# KiCad board DFTBoard.kicad_pcb (continued)
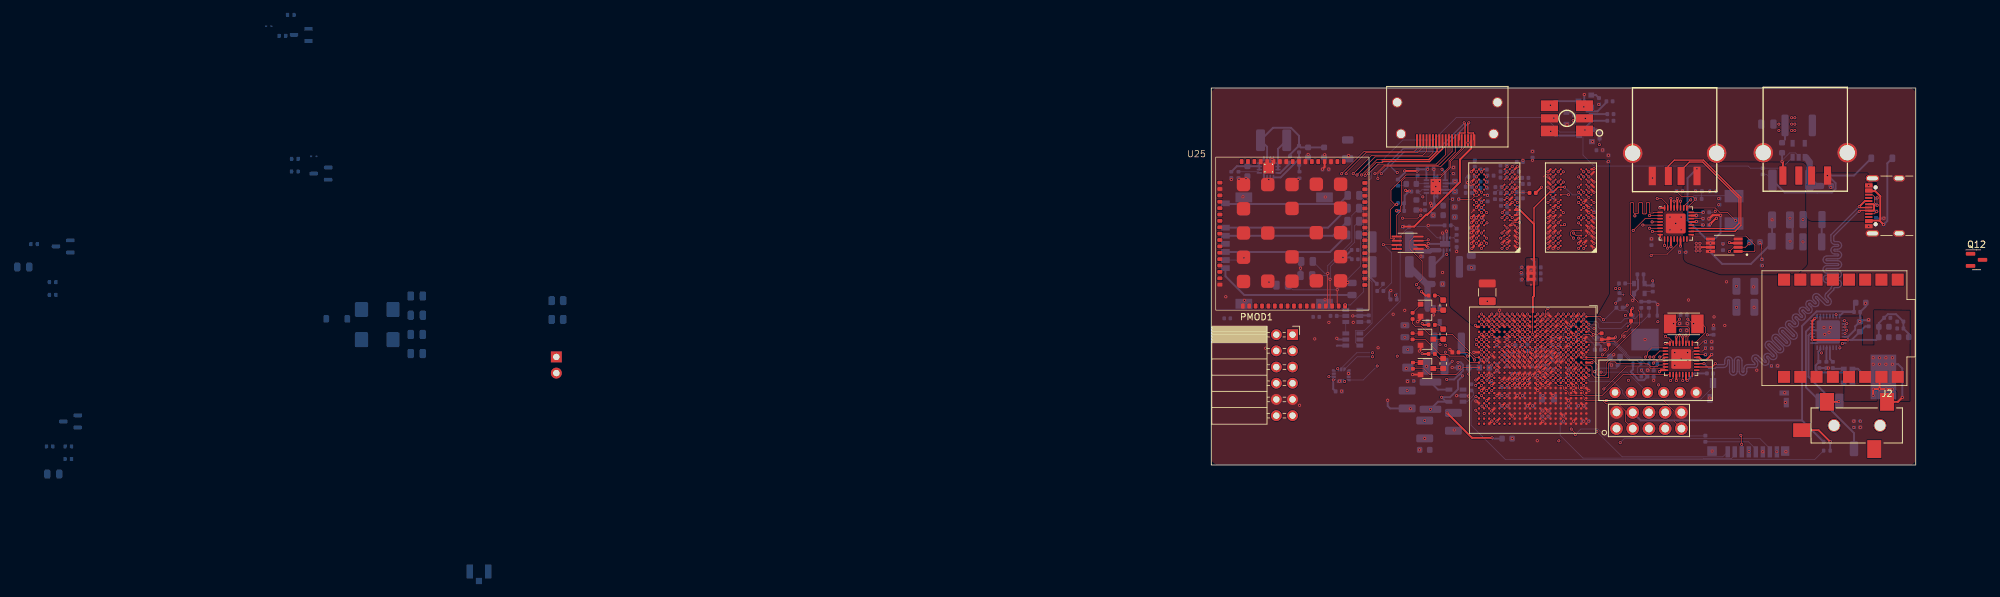
[diagram p0: board, top side]
## Routing (per net, layer and track width the routed paths; a pad name or vN(x,y) marks a point on that pad's centre or on a via; arc(x,y) is an arc through that point) (continued)
  BOTTOM w0.102: R11.2 60.78,50.27 v1(60.75,50.24)
PROGRAM_B: length 0.6
  TOP_GND w0.102: 46.71,15.27 v1(46.31,15.67)
SD_CD: length 24.9
  TOP_GND w0.3: 58.68,13.67 v1(58.27,14.08)
  BOTTOM w0.102: 78.55,12.23 76.65,10.33 65.32,10.33 64.38,11.27 64.38,11.68 62.99,13.07 59.28,13.07 v1(58.27,14.08)
  BOTTOM w0.3: R99.2 78.57,12.88
SD_CLK: length 8.4
  BOTTOM w0.102: R26.2 84.11,3.63 85.25,2.49
SD_CMD: length 38.8
  TOP_GND w0.102: 55.51,16.91 v1(55.87,17.27) ; v1(82.91,4.66) 83.04,4.53 v1(83.04,3.24)
  SIGNAL1 w0.102: v1(55.87,17.27) 55.52,16.92 55.52,12.31 57.15,10.68 62.43,10.68 63.5,9.61 77.96,9.61 v1(82.91,4.66)
  BOTTOM w0.102: v1(83.04,3.24) 83.05,3.23 J8.3
SD_D0: length 42.3
  TOP_GND w0.102: 58.77,18.47 v2(59.15,18.86)
  SIGNAL4 w0.102: v1(64.01,3.5) 64.01,3.5 62.28,5.24 62.28,10.25 62.17,10.36 62.17,15.72 59.15,18.73 v2(59.15,18.86)
  BOTTOM w0.102: v1(64.01,3.5) 64.64,4.12 85.91,4.12 87.45,2.59
SD_D1: length 53.1
  TOP_GND w0.102: v1(55.92,15.69) 55.9,15.69 U20.E10
  SIGNAL1 w0.102: v1(54.41,3.79) 54.51,3.89 78.2,3.89 78.43,4.12 86.49,4.12 v1(88.55,2.06)
  SIGNAL2 w0.102: v1(55.92,15.69) 55.55,16.06 53.67,16.06 52.88,15.27 51.78,15.27 51.51,15 51.51,6.69 54.42,3.78 v1(54.41,3.79)
SD_D2: length 37.1
  TOP_GND w0.102: 58.71,17.69 v2(59.05,18.03)
  SIGNAL4 w0.102: v2(59.05,18.03) 61.42,15.66 61.42,12.43 60.36,11.37 v1(60.36,5.25)
  BOTTOM w0.102: v1(60.36,5.25) 64.33,1.28 80.07,1.28 J8.1
SD_D3: length 40.8
  TOP_GND w0.102: v1(54.31,15.67) 54.32,15.67 54.71,15.27
  BOTTOM w0.102: v1(54.31,15.67) 54.73,15.25 54.73,8.12 54.62,8.01 54.62,4.65 58.19,1.08 77.04,1.08 77.09,1.03 81.45,1.03 81.95,1.54
STATLED_0: length 11.2
  TOP_GND w0.102: 31.51,15.09 33.29,15.09 34.21,14.17 38.31,14.17 39.41,15.27 41.91,15.27
STATLED_1: length 11.9
  TOP_GND w0.102: R79.2 33.47,19.69 35.86,17.31 36.8,17.31 36.86,17.37 37,17.37 37.3,17.07 39.5,17.07 40.5,16.07 U20.AB10
STATLED_2: length 13.3
  TOP_GND w0.102: U20.AB9 41.33,16.88 37.73,20.47 34.11,20.47 32.91,21.67 32.01,21.67 31.51,22.17 R85.2
TLV_RST#: length 78.1
  TOP_GND w0.102: 42.71,10.48 v1(42.31,10.88)
  SIGNAL1 w0.102: v1(42.31,10.88) 42.31,10.27 42.91,9.67 43.58,9.67 52.03,1.22 89.84,1.22 94.43,5.82 94.43,16.46 v1(95.54,17.57)
  SIGNAL2 w0.102: v1(95.54,17.57) 97.82,19.85 v1(97.82,23.57)
UART33_RX: length 18.4
  TOP_GND w0.102: U20.G7 v1(54.31,18.07)
  SIGNAL1 w0.102: v1(56.71,17.27) 56.31,17.67 54.71,17.67 v1(54.31,18.07)
  SIGNAL4 w0.102: v1(61.03,14.57) 60.5,15.1 60.5,16.3 59.12,17.67 57.11,17.67 v1(56.71,17.27)
  BOTTOM w0.102: U17.4 65.1,14.57 v1(61.03,14.57)
UART33_TX: length 14.7
  TOP_GND w0.102: U20.B4 v1(58.31,21.27)
  SIGNAL4 w0.102: v1(59.92,21.39) 62,19.31 62,17.71 63.21,16.51 63.21,13.91 U17.5
  BOTTOM w0.102: 59.71,21.38 59.42,21.67 58.7,21.67 v1(58.31,21.27)
USB0_CLK: length 43
  TOP_GND w0.102: U10.1 69.27,39.62 69.17,39.52 68.67,39.52 68.61,39.57 68.61,41.07 68.51,41.17 68.21,41.17 68.11,41.07 68.11,39.47 68.01,39.37 67.61,39.37 67.51,39.47 67.51,41.07 67.41,41.17 67.01,41.17 66.91,41.07 66.91,39.57 66.81,39.47 66.21,39.47 66.11,39.57 66.11,41.07 66.01,41.17 65.71,41.17 65.58,41.04 65.58,26.8 66.81,25.57 66.81,24.27 66.99,24.08 66.99,21.96 61.91,16.88 U20.A9
USB0_D0: length 34.2
  TOP_GND w0.102: U10.3 67.91,38.62 v1(66.06,36.77) ; U20.C7 57.51,18.88 v1(57.51,18.88)
  SIGNAL2 w0.102: v1(66.06,36.77) 66.06,34.52 66.05,34.46 66.03,34.39 65.99,34.34 65.95,34.29 65.89,34.25 65.83,34.23 65.76,34.22 65.56,34.22 65.49,34.22 65.43,34.2 65.37,34.16 65.33,34.11 65.29,34.06 65.27,33.99 65.26,33.92 65.27,33.86 65.29,33.79 65.33,33.74 65.37,33.69 65.43,33.65 65.49,33.63 65.56,33.62 66.16,33.62 66.18,33.62 66.2,33.62 66.22,33.6 66.24,33.59 66.25,33.57 66.26,33.55 66.26,33.52 66.26,33.12 66.26,33.1 66.25,33.08 66.24,33.06 66.22,33.05 66.2,33.03 66.18,33.03 66.16,33.02 65.56,33.02 65.49,33.02 65.43,33 65.37,32.96 65.33,32.91 65.29,32.86 65.27,32.79 65.26,32.72 65.27,32.66 65.29,32.59 65.33,32.54 65.37,32.49 65.43,32.45 65.49,32.43 65.56,32.42 66.16,32.42 66.18,32.42 66.2,32.42 66.22,32.4 66.24,32.39 66.25,32.37 66.26,32.35 66.26,32.32 66.26,31.92 66.26,31.9 66.25,31.88 66.24,31.86 66.22,31.85 66.2,31.83 66.18,31.83 66.16,31.82 65.56,31.82 65.49,31.82 65.43,31.8 65.37,31.76 65.33,31.71 65.29,31.66 65.27,31.59 65.26,31.52 65.27,31.46 65.29,31.39 65.33,31.34 65.37,31.29 65.43,31.25 65.49,31.23 65.56,31.22 66.16,31.22 66.18,31.22 66.2,31.22 66.22,31.2 66.24,31.19 66.25,31.17 66.26,31.15 66.26,31.12 66.26,30.72 66.26,30.7 66.25,30.68 66.24,30.66 66.22,30.65 66.2,30.63 66.18,30.63 66.16,30.62 65.56,30.62 65.49,30.62 65.43,30.6 65.37,30.56 65.33,30.51 65.29,30.46 65.27,30.39 65.26,30.32 65.27,30.26 65.29,30.19 65.33,30.14 65.37,30.09 65.43,30.05 65.49,30.03 65.56,30.02 66.16,30.02 66.18,30.02 66.2,30.02 66.22,30 66.24,29.99 66.25,29.97 66.26,29.95 66.26,29.92 66.26,29.52 66.26,29.5 66.25,29.48 66.24,29.46 66.22,29.45 66.2,29.43 66.18,29.43 66.14,29.42 66.12,29.42 66.1,29.4 66.08,29.39 66.07,29.37 66.06,29.35 66.06,29.32 66.06,28.48 65.41,27.83 65.41,26.17 62.41,23.17 62.41,22.67 61.8,22.06 61.8,21.88 59.19,19.27 57.91,19.27 v1(57.51,18.88)
USB0_D1: length 41.3
  TOP_GND w0.102: v1(69.01,38.12) U10.4 ; 53.91,13.67 v1(53.51,13.27)
  SIGNAL1 w0.102: v1(69.91,22.47) 69.51,22.88 69.5,22.88 69.5,37.63 v1(69.01,38.12)
  SIGNAL2 w0.102: v1(69.91,22.47) 68.8,21.37 68.8,18.79 67.11,17.1 67.11,16.99 61.4,11.27 55.51,11.27 v1(53.51,13.27)
USB0_D2: length 32.9
  TOP_GND w0.102: v1(58.31,14.88) U20.B12 ; U10.5 v1(67.56,37.62)
  SIGNAL2 w0.102: v1(67.56,37.62) 67.56,32.42 67.56,32.4 67.55,32.38 67.54,32.36 67.52,32.35 67.5,32.33 67.48,32.33 67.44,32.32 67.42,32.32 67.4,32.3 67.38,32.29 67.37,32.27 67.36,32.25 67.36,32.22 67.36,31.82 67.36,31.8 67.37,31.78 67.38,31.76 67.4,31.75 67.42,31.73 67.44,31.73 67.46,31.72 67.63,31.72 67.65,31.72 67.67,31.72 67.68,31.71 67.69,31.7 67.7,31.68 67.71,31.67 67.71,31.65 67.71,31.2 67.71,31.18 67.7,31.17 67.69,31.15 67.68,31.14 67.67,31.13 67.65,31.13 67.63,31.12 67.46,31.12 67.44,31.12 67.42,31.12 67.4,31.1 67.38,31.09 67.37,31.07 67.36,31.05 67.36,31.02 67.36,30.62 67.36,30.6 67.37,30.58 67.38,30.56 67.4,30.55 67.42,30.53 67.44,30.53 67.46,30.52 67.63,30.52 67.65,30.52 67.67,30.52 67.68,30.51 67.69,30.5 67.7,30.48 67.71,30.47 67.71,30.45 67.71,30 67.71,29.98 67.7,29.97 67.69,29.95 67.68,29.94 67.67,29.93 67.65,29.93 67.63,29.92 67.46,29.92 67.44,29.92 67.42,29.92 67.4,29.9 67.38,29.89 67.37,29.87 67.36,29.85 67.36,29.82 67.36,29.42 67.36,29.4 67.37,29.38 67.38,29.36 67.4,29.35 67.42,29.33 67.44,29.33 67.46,29.32 67.63,29.32 67.65,29.32 67.67,29.32 67.68,29.31 67.69,29.3 67.7,29.28 67.71,29.27 67.71,29.25 67.71,28.8 67.71,28.78 67.7,28.77 67.69,28.75 67.68,28.74 67.67,28.73 67.65,28.73 67.63,28.72 67.46,28.72 67.44,28.72 67.42,28.72 67.4,28.7 67.38,28.69 67.37,28.67 67.36,28.65 67.36,28.62 67.36,28.22 67.36,28.2 67.37,28.18 67.38,28.16 67.4,28.15 67.42,28.13 67.44,28.13 67.46,28.12 67.63,28.12 67.65,28.12 67.67,28.12 67.68,28.11 67.69,28.1 67.7,28.08 67.71,28.07 67.71,28.05 67.71,27.6 67.71,27.58 67.7,27.57 67.69,27.55 67.68,27.54 67.67,27.53 67.65,27.53 67.63,27.52 67.46,27.52 67.44,27.52 67.42,27.52 67.4,27.5 67.38,27.49 67.37,27.47 67.36,27.45 67.36,27.42 67.36,27.02 67.36,27 67.37,26.98 67.38,26.96 67.4,26.95 67.42,26.93 67.44,26.93 67.46,26.92 67.63,26.92 67.65,26.92 67.67,26.92 67.68,26.91 67.69,26.9 67.7,26.88 67.71,26.87 67.71,26.85 67.71,26.4 67.71,26.38 67.7,26.37 67.69,26.35 67.68,26.34 67.67,26.33 67.65,26.33 67.63,26.32 67.46,26.32 67.44,26.32 67.42,26.32 67.4,26.3 67.38,26.29 67.37,26.27 67.36,26.25 67.36,26.22 67.36,25.82 67.36,25.8 67.37,25.78 67.38,25.76 67.4,25.75 67.42,25.73 67.44,25.73 67.48,25.72 67.5,25.72 67.52,25.7 67.54,25.69 67.55,25.67 67.56,25.65 67.56,25.62 67.56,24.82 63.2,20.47 63.12,20.47 62.92,20.26 62.92,20.18 58.31,15.57 v1(58.31,14.88)
USB0_D3: length 36.7
  TOP_GND w0.102: U20.F14 55.11,13.27 v1(55.12,13.27) ; U10.6 v1(68.61,37.12)
  SIGNAL2 w0.102: v1(68.61,37.12) 69.14,37.12 69.45,36.81 69.45,29.42 69.71,29.16 69.71,27.79 69.45,27.53 69.45,23.47 67.28,21.3 67.28,19.45 61.31,13.47 61.02,13.47 60.43,12.88 55.52,12.88 v1(55.12,13.27)
USB0_D4: length 32.4
  TOP_GND w0.102: v1(69.06,36.62) U10.7 ; U20.A12 v1(59.11,14.07)
  SIGNAL2 w0.102: v1(69.06,36.62) 68.31,35.87 68.31,33.07 68.31,33.06 68.31,33.05 68.3,33.04 68.29,33.04 68.28,33.03 68.27,33.03 68.25,33.02 68.24,33.02 68.23,33.01 68.22,33.01 68.21,33 68.21,32.99 68.21,32.97 68.21,32.47 68.21,32.46 68.21,32.45 68.22,32.44 68.23,32.44 68.24,32.43 68.25,32.43 68.26,32.42 68.46,32.42 68.49,32.42 68.53,32.41 68.55,32.39 68.58,32.37 68.6,32.34 68.61,32.31 68.61,32.27 68.61,31.97 68.61,31.94 68.6,31.91 68.58,31.88 68.55,31.86 68.53,31.84 68.49,31.83 68.46,31.82 68.26,31.82 68.25,31.82 68.24,31.82 68.23,31.81 68.22,31.81 68.21,31.8 68.21,31.79 68.21,31.77 68.21,31.27 68.21,31.26 68.21,31.25 68.22,31.24 68.23,31.24 68.24,31.23 68.25,31.23 68.26,31.22 68.46,31.22 68.49,31.22 68.53,31.21 68.55,31.19 68.58,31.17 68.6,31.14 68.61,31.11 68.61,31.07 68.61,30.77 68.61,30.74 68.6,30.71 68.58,30.68 68.55,30.66 68.53,30.64 68.49,30.63 68.46,30.62 68.26,30.62 68.25,30.62 68.24,30.62 68.23,30.61 68.22,30.61 68.21,30.6 68.21,30.59 68.21,30.57 68.21,30.07 68.21,30.06 68.21,30.05 68.22,30.04 68.23,30.04 68.24,30.03 68.25,30.03 68.26,30.02 68.46,30.02 68.49,30.02 68.53,30.01 68.55,29.99 68.58,29.97 68.6,29.94 68.61,29.91 68.61,29.88 68.61,29.57 68.61,29.54 68.6,29.51 68.58,29.48 68.55,29.46 68.53,29.44 68.49,29.43 68.43,29.42 68.39,29.41 68.37,29.39 68.34,29.37 68.32,29.34 68.31,29.31 68.31,29.27 68.31,23.27 66.35,21.31 66.3,21.28 66.25,21.25 66.2,21.24 66.14,21.24 66.09,21.25 66.04,21.28 65.95,21.35 65.9,21.37 65.85,21.38 65.79,21.38 65.73,21.37 65.68,21.35 65.64,21.31 65.57,21.24 65.53,21.2 65.51,21.15 65.5,21.09 65.5,21.04 65.51,20.98 65.53,20.93 65.57,20.89 65.99,20.46 66.04,20.41 66.06,20.35 66.08,20.29 66.08,20.22 66.06,20.15 66.04,20.09 65.99,20.04 65.94,20 65.88,19.97 65.82,19.95 65.75,19.95 65.68,19.97 65.62,20 65.57,20.04 65.53,20.07 65.48,20.12 65.42,20.15 65.36,20.16 65.29,20.16 65.22,20.15 65.16,20.12 65.11,20.07 60.46,15.42 60.46,14.84 60.43,14.82 60.43,14.5 60.01,14.07 v1(59.11,14.07)
USB0_D5: length 30.1
  TOP_GND w0.102: U20.B14 v1(58.31,12.47) ; U10.9 v1(70.96,34.42)
  SIGNAL2 w0.102: v1(70.96,34.42) 70.96,24.54 67.52,21.09 67.52,19.34 60.65,12.47 v1(58.31,12.47)
USB0_D6: length 35.6
  TOP_GND w0.102: 54.71,13.67 v1(54.31,13.27) ; v1(71.42,34.01) 71.42,35.4
  SIGNAL2 w0.102: v1(54.31,13.27) 55.5,12.08 60.82,12.08 61.21,12.47 61.81,12.47 68.3,18.97 68.3,21.52 71.42,24.63 v1(71.42,34.01)
USB0_D7: length 32.3
  TOP_GND w0.102: v1(68.86,32.82) 69.1,33.06 71.38,33.06 72.96,34.64 U10.13 ; 57.11,13.67 v1(57.51,13.27)
  SIGNAL2 w0.102: v1(57.51,13.27) 57.9,13.67 60.1,13.67 60.66,14.23 60.66,14.38 60.64,14.41 60.64,14.73 60.87,14.96 61.26,14.96 66.76,20.46 66.76,21.22 68.21,22.67 68.21,22.89 68.86,23.54 68.86,27.52 68.51,27.87 68.51,29.08 68.86,29.42 v1(68.86,32.82)
USB0_dir: length 34.3
  TOP_GND w0.102: v1(69.81,41.77) 70.53,41.77 71.46,40.85 U10.31 ; 55.51,17.67 v1(55.91,18.07)
  SIGNAL2 w0.102: v1(69.81,41.77) 66.51,38.47 66.51,25.69 59.28,18.47 56.45,18.47 56.06,18.07 v1(55.91,18.07)
USB0_nxt: length 33.5
  TOP_GND w0.102: U20.F9 v1(55.11,17.27) ; U10.2 v1(68.61,39.12)
  SIGNAL1 w0.102: v1(68.61,39.12) 66.36,39.12 v1(66.31,39.07)
  SIGNAL2 w0.102: v1(55.11,17.27) 55.52,17.68 55.52,19.98 55.61,20.07 58.83,20.07 59.72,20.97 60.3,20.97 60.72,21.38 60.72,21.97 61.14,22.38 61.6,22.38 62.16,22.94 62.16,23.32 65.01,26.17 65.01,37.77 v1(66.31,39.07)
USB0_RST: length 38.2
  TOP_GND w0.102: U20.D10 v1(55.91,16.47) ; U10.27 v1(73.46,41.37)
  SIGNAL2 w0.102: v1(73.46,41.37) 73.46,41.86 73.12,42.2 70.99,42.2 67.11,38.32 67.11,25.09 62.64,20.62 62.51,20.62 58.76,16.88 56.31,16.88 v1(55.91,16.47)
USB0_stp: length 34.8
  TOP_GND w0.102: v1(72.46,41.37) U10.29 ; 58.71,15.27 v1(59.11,14.88)
  SIGNAL2 w0.102: v1(72.46,41.37) 70.83,39.74 69.88,39.74 67.96,37.82 67.96,23.44 66.35,21.82 65.81,21.82 65.03,21.05 64.89,21.05 64.21,20.37 64.21,19.64 59.45,14.88 v1(59.11,14.88)
USB1_CLK: length 16.4
  TOP_GND w0.102: U12.1 68.96,18.38 68.31,17.72 68.31,17.27 v1(67.96,16.92) ; 56.31,15.27 56.71,15.67 v1(56.71,15.67)
  SIGNAL1 w0.102: v1(67.96,16.92) 67.71,16.68 67.26,16.68 67.06,16.47 57.44,16.47 56.71,15.75 v1(56.71,15.67)
USB1_D0: length 22.1
  TOP_GND w0.102: 55.51,13.67 v1(55.91,13.27) ; U12.3 v1(70.21,16.92)
  SIGNAL1 w0.102: v1(70.21,16.92) 70.34,17.38 70.65,17.69 70.65,18.21 69.99,18.88 68.46,18.88 66.46,16.88 56.53,16.88 56.32,16.66 56.32,13.68 v1(55.91,13.27)
USB1_D1: length 17.5
  TOP_GND w0.102: U12.4 70.93,16.68 70.68,16.68 70.53,16.52 62.36,16.52 61.81,15.97 61.81,14.27 61.61,14.07 60.51,14.07 60.41,14.17 60.41,15.81 59.69,16.52 58.26,16.52 U20.B9
USB1_D2: length 17
  TOP_GND w0.102: v1(69.21,15.98) 69.41,16.18 70.93,16.18 U12.5 ; v1(56.71,14.07) 56.71,14.07 U20.D12
  SIGNAL1 w0.102: v1(56.71,14.07) 57.11,14.47 59.4,14.47 59.8,14.07 68.51,14.07 69.21,14.78 v1(69.21,15.98)
USB1_D3: length 17.7
  TOP_GND w0.102: U20.B10 58.33,15.66 59.33,15.66 59.61,15.38 59.61,14.17 60.11,13.67 62.11,13.67 62.21,13.77 62.21,15.88 62.51,16.17 63.21,16.17 63.51,15.88 68.36,15.88 68.81,15.42 69.81,15.42 70.06,15.68 70.93,15.68 U12.6
USB1_D4: length 18.1
  TOP_GND w0.102: U12.7 70.93,15.18 68.77,15.18 68.57,15.38 64.92,15.38 v1(61.46,11.92) ; U20.E14 v1(55.91,12.47)
  SIGNAL1 w0.102: v1(55.91,12.47) 56.31,12.07 57.11,12.07 57.91,11.27 60.82,11.27 v1(61.46,11.92)
USB1_D5: length 17.4
  TOP_GND w0.102: U20.C14 57.51,12.47 57.51,11.95 57.75,11.72 58.07,11.72 58.31,11.47 58.31,11.15 58.54,10.92 61.21,10.92 64.48,14.19 U12.9
USB1_D6: length 17.3
  TOP_GND w0.102: U12.10 72.31,13.65 v1(71.91,13.25) ; 56.31,13.67 56.71,13.27 v1(56.71,13.27)
  SIGNAL1 w0.102: v1(71.91,13.25) 70.15,13.25 69.64,12.73 69.07,12.73 68.93,12.88 57.11,12.88 v1(56.71,13.27)
USB1_D7: length 19.9
  TOP_GND w0.102: U12.13 v1(73.81,13.25) ; U20.C10 v1(57.51,15.67)
  SIGNAL1 w0.102: v1(73.81,13.25) 73.64,13.25 70.51,16.38 69,16.38 67.91,15.28 66.82,15.28 66.61,15.07 59.91,15.07 59.55,15.44 57.75,15.44 v1(57.51,15.67)
USB1_dir: length 17
  TOP_GND w0.102: U12.31 72.11,19.26 72.11,19.5 71.68,19.94 71.35,19.94 v1(71.11,20.17) ; 57.11,17.67 v1(57.51,18.07)
  SIGNAL1 w0.102: v1(57.51,18.07) 57.9,17.68 66.92,17.68 68.71,19.47 v1(71.11,20.17)
USB1_nxt: length 16.9
  TOP_GND w0.102: v1(69.26,16.92) 70.21,17.88 U12.2 ; 57.91,15.27 v1(57.51,14.88)
  SIGNAL1 w0.102: v1(57.51,14.88) 57.12,15.27 57.12,15.86 57.32,16.07 58.93,16.07 59.34,15.66 59.89,15.66 60.41,16.17 68.51,16.17 v1(69.26,16.92)
USB1_RST: length 28.8
  TOP_GND w0.102: v1(74.31,20.38) U12.27 ; U20.C12 v1(57.51,14.07)
  SIGNAL1 w0.102: v1(57.51,14.07) 57.9,13.68 72.03,13.68 72.42,13.29 72.42,12.94 72.68,12.67 74.96,12.67 75.26,12.97 75.26,20.17 75.06,20.38 v1(74.31,20.38)
USB1_stp: length 20
  TOP_GND w0.102: U12.29 v1(73.31,20.38) ; 56.31,17.67 56.71,18.07 v1(56.71,18.07)
  SIGNAL1 w0.102: v1(56.71,18.07) 57.12,18.48 57.12,19.08 57.31,19.27 64.81,19.27 66.11,20.57 73.21,20.57 73.31,20.47 v1(73.31,20.38)
USBD_D_N: length 98.8
  TOP_GND w0.2: 102.91,39.91 101.57,39.91 v1(101.43,39.77) ; v1(77.14,15.9) 76.02,15.9
  TOP_GND w0.3: USB_C_ESP1.B7 103.66,39.89 103.76,39.99 103.76,40.79 103.66,40.89 USB_C_ESP1.A7
  BOTTOM w0.2: v1(101.43,39.77) 101.34,39.77 97.46,35.89 97.46,35.19 arc(97.5,35.09) 97.61,35.04 98.08,35.04 arc(98.5,34.87) 98.68,34.44 arc(98.5,34.02) 98.08,33.84 97.61,33.84 arc(97.5,33.8) 97.46,33.69 arc(97.5,33.58) 97.61,33.54 98.08,33.54 arc(98.5,33.36) 98.68,32.94 arc(98.5,32.51) 98.08,32.34 96.38,32.34 arc(96.27,32.29) 96.23,32.19 arc(96.27,32.08) 96.38,32.03 98.08,32.03 arc(98.5,31.86) 98.68,31.43 arc(98.5,31.01) 98.08,30.83 96.38,30.83 arc(96.27,30.79) 96.23,30.68 arc(96.27,30.57) 96.38,30.53 98.08,30.53 arc(98.5,30.35) 98.68,29.93 arc(98.5,29.5) 98.08,29.33 96.38,29.33 arc(96.27,29.28) 96.23,29.18 arc(96.27,29.07) 96.38,29.03 98.08,29.03 arc(98.5,28.85) 98.68,28.43 arc(98.5,28) 98.08,27.82 97.61,27.82 arc(97.5,27.78) 97.46,27.67 97.46,27.49 96.56,26.59 arc(96.52,26.49) 96.56,26.38 96.9,26.05 arc(97.07,25.62) 96.9,25.2 arc(96.47,25.02) 96.05,25.2 94.85,26.4 arc(94.74,26.44) 94.63,26.4 arc(94.59,26.29) 94.63,26.18 94.97,25.85 arc(95.14,25.42) 94.97,25 arc(94.54,24.82) 94.12,25 93.78,25.33 arc(93.68,25.38) 93.57,25.33 arc(93.52,25.23) 93.57,25.12 93.9,24.79 arc(94.08,24.36) 93.9,23.94 arc(93.48,23.76) 93.05,23.94 92.72,24.27 arc(92.61,24.31) 92.51,24.27 arc(92.46,24.16) 92.51,24.06 92.84,23.72 arc(93.02,23.3) 92.84,22.87 arc(92.42,22.7) 91.99,22.87 91.66,23.21 arc(91.55,23.25) 91.44,23.21 arc(91.4,23.1) 91.44,22.99 91.78,22.66 arc(91.95,22.23) 91.78,21.81 arc(91.35,21.63) 90.93,21.81 90.59,22.14 arc(90.49,22.19) 90.38,22.14 arc(90.33,22.04) 90.38,21.93 91.58,20.73 arc(91.76,20.3) 91.58,19.88 arc(91.15,19.7) 90.73,19.88 89.53,21.08 arc(89.42,21.12) 89.32,21.08 arc(89.27,20.97) 89.32,20.87 90.52,19.67 arc(90.69,19.24) 90.52,18.82 arc(90.09,18.64) 89.67,18.82 88.47,20.02 arc(88.36,20.06) 88.25,20.02 arc(88.21,19.91) 88.25,19.8 89.45,18.6 arc(89.63,18.18) 89.45,17.75 arc(89.03,17.58) 88.6,17.75 87.4,18.95 arc(87.3,19) 87.19,18.95 arc(87.14,18.85) 87.19,18.74 88.39,17.54 arc(88.56,17.11) 88.39,16.69 arc(87.96,16.51) 87.54,16.69 87.2,17.02 arc(87.1,17.07) 86.99,17.02 arc(86.95,16.92) 86.99,16.81 87.15,16.65 arc(87.32,16.23) 87.15,15.8 87.15,15.8 arc(86.72,15.62) 86.3,15.8 85.31,16.79 arc(85.2,16.83) 85.1,16.79 arc(85.05,16.68) 85.1,16.58 85.4,16.28 arc(85.57,15.85) 85.4,15.43 85.26,15.29 83.99,15.29 arc(83.88,15.25) 83.84,15.14 83.84,14.67 arc(83.66,14.25) 83.24,14.07 arc(82.81,14.25) 82.64,14.67 82.64,16.37 arc(82.59,16.48) 82.49,16.52 arc(82.38,16.48) 82.34,16.37 82.34,14.67 arc(82.16,14.25) 81.73,14.07 arc(81.31,14.25) 81.13,14.67 81.13,16.37 arc(81.09,16.48) 80.98,16.52 arc(80.88,16.48) 80.83,16.37 80.83,15.9 arc(80.65,15.47) 80.23,15.29 79.05,15.29 78.91,15.16 77.88,15.16 v1(77.14,15.9)
USBD_D_P: length 98.3
  TOP_GND w0.2: v1(101.43,40.5) 101.57,40.37 102.91,40.37 ; U12.18 78.4,15.38 v1(78.91,15.88)
  TOP_GND w0.3: v1(101.43,40.5) 102.31,41.39 USB_C_ESP1.B6
  BOTTOM w0.2: v1(78.91,15.88) 79.05,15.75 80.23,15.75 arc(80.34,15.79) 80.38,15.9 80.38,16.37 arc(80.56,16.79) 80.98,16.97 arc(81.41,16.79) 81.58,16.37 81.58,14.67 arc(81.63,14.56) 81.73,14.52 arc(81.84,14.56) 81.89,14.67 81.89,16.37 arc(82.06,16.79) 82.49,16.97 arc(82.91,16.79) 83.09,16.37 83.09,14.67 arc(83.13,14.56) 83.24,14.52 arc(83.34,14.56) 83.39,14.67 83.39,15.14 arc(83.57,15.57) 83.99,15.75 85.08,15.75 arc(85.12,15.85) 85.08,15.96 84.78,16.26 arc(84.6,16.68) 84.78,17.11 arc(85.2,17.28) 85.63,17.11 86.62,16.12 arc(86.72,16.07) 86.83,16.12 86.83,16.12 arc(86.87,16.23) 86.83,16.33 86.67,16.49 arc(86.5,16.92) 86.67,17.34 arc(87.1,17.52) 87.52,17.34 87.86,17.01 arc(87.96,16.96) 88.07,17.01 arc(88.11,17.11) 88.07,17.22 86.87,18.42 arc(86.69,18.85) 86.87,19.27 arc(87.3,19.45) 87.72,19.27 88.92,18.07 arc(89.03,18.03) 89.13,18.07 arc(89.18,18.18) 89.13,18.28 87.93,19.48 arc(87.76,19.91) 87.93,20.33 arc(88.36,20.51) 88.78,20.33 89.98,19.13 arc(90.09,19.09) 90.2,19.13 arc(90.24,19.24) 90.2,19.35 89,20.55 arc(88.82,20.97) 89,21.4 arc(89.42,21.57) 89.85,21.4 91.05,20.2 arc(91.15,20.15) 91.26,20.2 arc(91.31,20.3) 91.26,20.41 90.06,21.61 arc(89.88,22.04) 90.06,22.46 arc(90.49,22.64) 90.91,22.46 91.24,22.13 arc(91.35,22.08) 91.46,22.13 ; 91.46,22.13 91.49,22.16 ; 91.46,22.13 arc(91.5,22.23) 91.46,22.34 91.12,22.67 arc(90.95,23.1) 91.12,23.52 arc(91.55,23.7) 91.97,23.52 92.31,23.19 arc(92.42,23.15) 92.52,23.19 arc(92.57,23.3) 92.52,23.4 92.19,23.74 arc(92.01,24.16) 92.19,24.59 arc(92.61,24.76) 93.04,24.59 93.37,24.25 arc(93.48,24.21) 93.59,24.25 arc(93.63,24.36) 93.59,24.47 93.25,24.8 arc(93.07,25.23) 93.25,25.65 arc(93.68,25.83) 94.1,25.65 94.44,25.32 arc(94.54,25.27) 94.65,25.32 arc(94.69,25.42) 94.65,25.53 94.31,25.87 arc(94.14,26.29) 94.31,26.72 arc(94.74,26.89) 95.16,26.72 96.37,25.51 arc(96.47,25.47) 96.58,25.51 arc(96.62,25.62) 96.58,25.73 96.24,26.06 arc(96.07,26.49) 96.24,26.91 97,27.67 arc(97.18,28.1) 97.61,28.27 98.08,28.27 arc(98.19,28.32) 98.23,28.43 arc(98.19,28.53) 98.08,28.58 96.38,28.58 arc(95.96,28.75) 95.78,29.18 arc(95.96,29.6) 96.38,29.78 98.08,29.78 arc(98.19,29.82) 98.23,29.93 arc(98.19,30.04) 98.08,30.08 96.38,30.08 arc(95.96,30.26) 95.78,30.68 arc(95.96,31.11) 96.38,31.28 98.08,31.28 arc(98.19,31.33) 98.23,31.43 arc(98.19,31.54) 98.08,31.58 96.38,31.58 arc(95.96,31.76) 95.78,32.19 arc(95.96,32.61) 96.38,32.79 98.08,32.79 arc(98.19,32.83) 98.23,32.94 arc(98.19,33.04) 98.08,33.09 97.61,33.09 arc(97.18,33.26) 97,33.69 arc(97.18,34.11) 97.61,34.29 98.08,34.29 arc(98.19,34.33) 98.23,34.44 arc(98.19,34.55) 98.08,34.59 97.61,34.59 arc(97.18,34.77) 97,35.19 97,36.08 v1(101.43,40.5)
USBH_CPEN: length 14.3
  TOP_GND w0.102: U11.1 83.29,33.5 83.34,33.45 84.98,33.45 85.11,33.58 85.11,34.49 83.69,35.9 75.37,35.9 U10.17
USBH_D_N: length 23.7
  TOP_GND w0.2: 75.17,37.1 81.81,37.1 82.61,37.91 82.61,41.87 82.41,42.08 82.37,42.08 76.94,47.51 74.85,47.51 73.54,46.2
USBH_D_P: length 28.3
  TOP_GND w0.2: J6.3 71.54,46.86 72.49,47.81 77.06,47.81 82.49,42.38 82.53,42.38 82.91,42 82.91,37.57 81.99,36.65 75.17,36.65
USBH_FAULT: length 35.9
  TOP_GND w0.102: v1(84.19,34.71) 83.63,34.15 U11.2 81.78,34.15 v1(81.11,33.47) ; U20.B7 v1(58.31,18.07)
  SIGNAL1 w0.102: v1(81.11,33.47) 81.11,32.87 69.62,21.38 66.9,21.38 v1(64.83,23.46)
  SIGNAL2 w0.102: v1(58.31,18.07) 58.7,17.68 59.28,17.68 64.83,23.23 v1(64.83,23.46)
USBH_VBUS: length 38.2
  TOP_GND w0.102: 78.31,38.98 77.93,38.61 v1(77.9,38.61)
  TOP_GND w0.3: v1(79.73,39.15) 79.71,39.18 78.5,39.18 R36.2
  BOTTOM w0.3: v1(78.15,34.8) 79.73,36.38 v1(79.73,39.15) ; v1(78.15,34.8) 74.59,38.36 74.59,41.35 74.56,41.37 74.56,44.98 v1(76.03,46.45) ; v1(78.15,34.8) 78.15,33.58 v1(78.04,33.47) 79.98,31.53 84.49,31.53 87.96,35 ; C74.2 87.79,35.14
  vias: v1(87.8,38.44)
VMODE0: length 6.3
  TOP_GND w0.102: U20.D5 v1(56.71,19.67)
  BOTTOM w0.102: 60.03,18.07 60.03,18.49 59.94,18.58 59.94,18.88 57.95,20.87 57.32,20.87 57.12,20.66 57.12,20.29 56.95,20.12 56.95,19.91 v1(56.71,19.67)
VMODE1: length 0.6
  TOP_GND w0.102: 55.52,20.07 v1(55.91,19.68)
ZYNQ_POR: length 3.7
  TOP_GND w0.102: U20.B5 58.26,20.43 59.26,20.43 59.6,20.08 60.13,20.08 60.62,20.57 60.62,20.59 60.69,20.66 R5.2
Net-(CDBMS540LR-HF1-A): length 19.4
  TOP_GND w0.3: 103.02,38.33 104.62,38.33 ; 104.62,38.33 104.74,38.45 104.74,42.16 103.95,42.95 103.02,42.95 ; 104.62,38.33 v1(105.25,37.69)
  BOTTOM w0.3: CDBMS540LR-HF1.2 105.84,47.31 105.84,38.27 v1(105.25,37.69)
Net-(D7-K): length 2.6
  BOTTOM w0.102: D7.1 32.1,45.18 ; U8.9 32.19,44.16
Net-(L6-Pad1): length 5.2
  BOTTOM w0.3: 11.81,50.92 10.44,49.56 U13.3
Net-(Q1-G): length 1.4
  BOTTOM w0.3: R11.1 60.32,52.61 Q1.1
Net-(Q3-G): length 1.4
  BOTTOM w0.3: Q3.1 56.32,55.31 R13.1
Net-(Q5-G): length 1.4
  BOTTOM w0.3: Q5.1 60.22,58.01 R15.1
Net-(R7-Pad2): length 1.1
  BOTTOM w0.102: R8.1 37.9,37.57 R7.2
Net-(R23-Pad1): length 1.1
  BOTTOM w0.3: R23.1 13.75,46.03 R24.2
Net-(R34-Pad2): length 1.3
  BOTTOM w0.102: R34.2 26.88,28.2
Net-(U1-EN): length 1.3
  BOTTOM w0.102: U1.3 24.59,22.43
Net-(U1-FLAG3): length 1.8
  BOTTOM w0.102: U1.4 U2.3
Net-(U5-FB): length 1.9
  BOTTOM w0.102: 37.94,35.62 R6.1 ; 37.94,35.62 R7.1 ; 37.94,35.62 U5.4
Net-(U5-SW): length 3.4
  BOTTOM w0.3: L1.1 36.36,32.86 36.36,33.72
Net-(U8-REFOUT): length 1.5
  BOTTOM w0.102: 33.68,41.17 U8.6
Net-(U9-MIC1RM/LINE1RM): length 2.2
  BOTTOM w0.3: 96.31,16.17 96.31,18.35 U9.13
Net-(U10A-VBUS): length 2.1
  TOP_GND w0.102: R36.1 76.74,38.62 ; 76.74,38.62 76.75,38.63 v1(76.99,38.63) ; 76.74,38.62 U10.22
Net-(U10A-VDD33): length 2.1
  TOP_GND w0.102: 76.75,37.62 76.78,37.65 v1(77.04,37.65) ; 76.75,37.62 U10.20 ; 76.75,37.62 C69.2
Net-(U10C-RBIAS): length 2.1
  TOP_GND w0.102: v1(77.02,39.62) 76.75,39.62 76.74,39.62 ; 76.74,39.62 U10.24 ; 76.74,39.62 R38.1
Net-(U10D-REFCLK): length 9.8
  TOP_GND w0.102: 73.96,40.55 74.98,41.57 v1(75.06,41.57)
  BOTTOM w0.102: v1(75.06,41.57) 75.06,41.73 75.55,42.23 76.81,42.23 ; 76.81,42.23 76.77,42.27 ; 76.81,42.23 81.78,42.23 ; R37.1 76.77,42.27 ; 76.77,42.27 76.77,42.9
Net-(U10D-XO): length 13.8
  TOP_GND w0.102: 82.07,38.36 80.84,39.59 79.63,39.59 78.91,40.31 U10.25 75.78,41.63 v1(75.78,41.7) 75.41,42.07 73.69,42.07 v1(72.85,42.9)
  vias: v1(82.09,38.36)
Net-(U12A-ID): length 4.2
  TOP_GND w0.102: v1(77.38,18.32) 76.93,17.88 U12.23 75.46,17.88 75.41,17.82 75.41,16.43 75.46,16.38 U12.20
Net-(U12A-VBUS): length 1.3
  TOP_GND w0.102: v1(77.38,17.31) 77.38,17.32 R39.1 76.05,17.32
Net-(U12C-RBIAS): length 1.8
  TOP_GND w0.102: v1(77.38,19.33) R41.1 76.95,19.32 U12.24
Net-(U12D-REFCLK): length 6.8
  TOP_GND w0.102: 72.35,21.7 74.61,21.7 74.89,21.42 74.89,20.38 74.61,20.1 74.61,19.26 U12.26 ; 72.56,22.12 v1(73.31,22.88)
  BOTTOM w0.102: v1(73.31,22.88) 73.31,23.41
  vias: v1(72.38,22.17)
Net-(U12D-XO): length 6.1
  TOP_GND w0.102: 75.36,22.12 v1(74.61,22.88) ; 76.81,22.17 77.41,21.57 77.41,20.77 75.89,19.26 75.51,19.26 U12.25
  BOTTOM w0.102: v1(74.61,22.88) 74.61,23.41
  vias: v1(75.51,22.17)
